# Altium PCB ultra.PcbDoc (part 3 of 9)
Units mm, origin at the board's own origin, x right, y up, seen from the top; angles counter-clockwise.
Board outline 210 x 210 mm, 2 copper layers (Top Layer, Bottom Layer), stack 1.591 mm thick; 722 components, 1083 nets, 2232 pads, 1540 vias.
Unrouted connection lines stored in the file: 21.
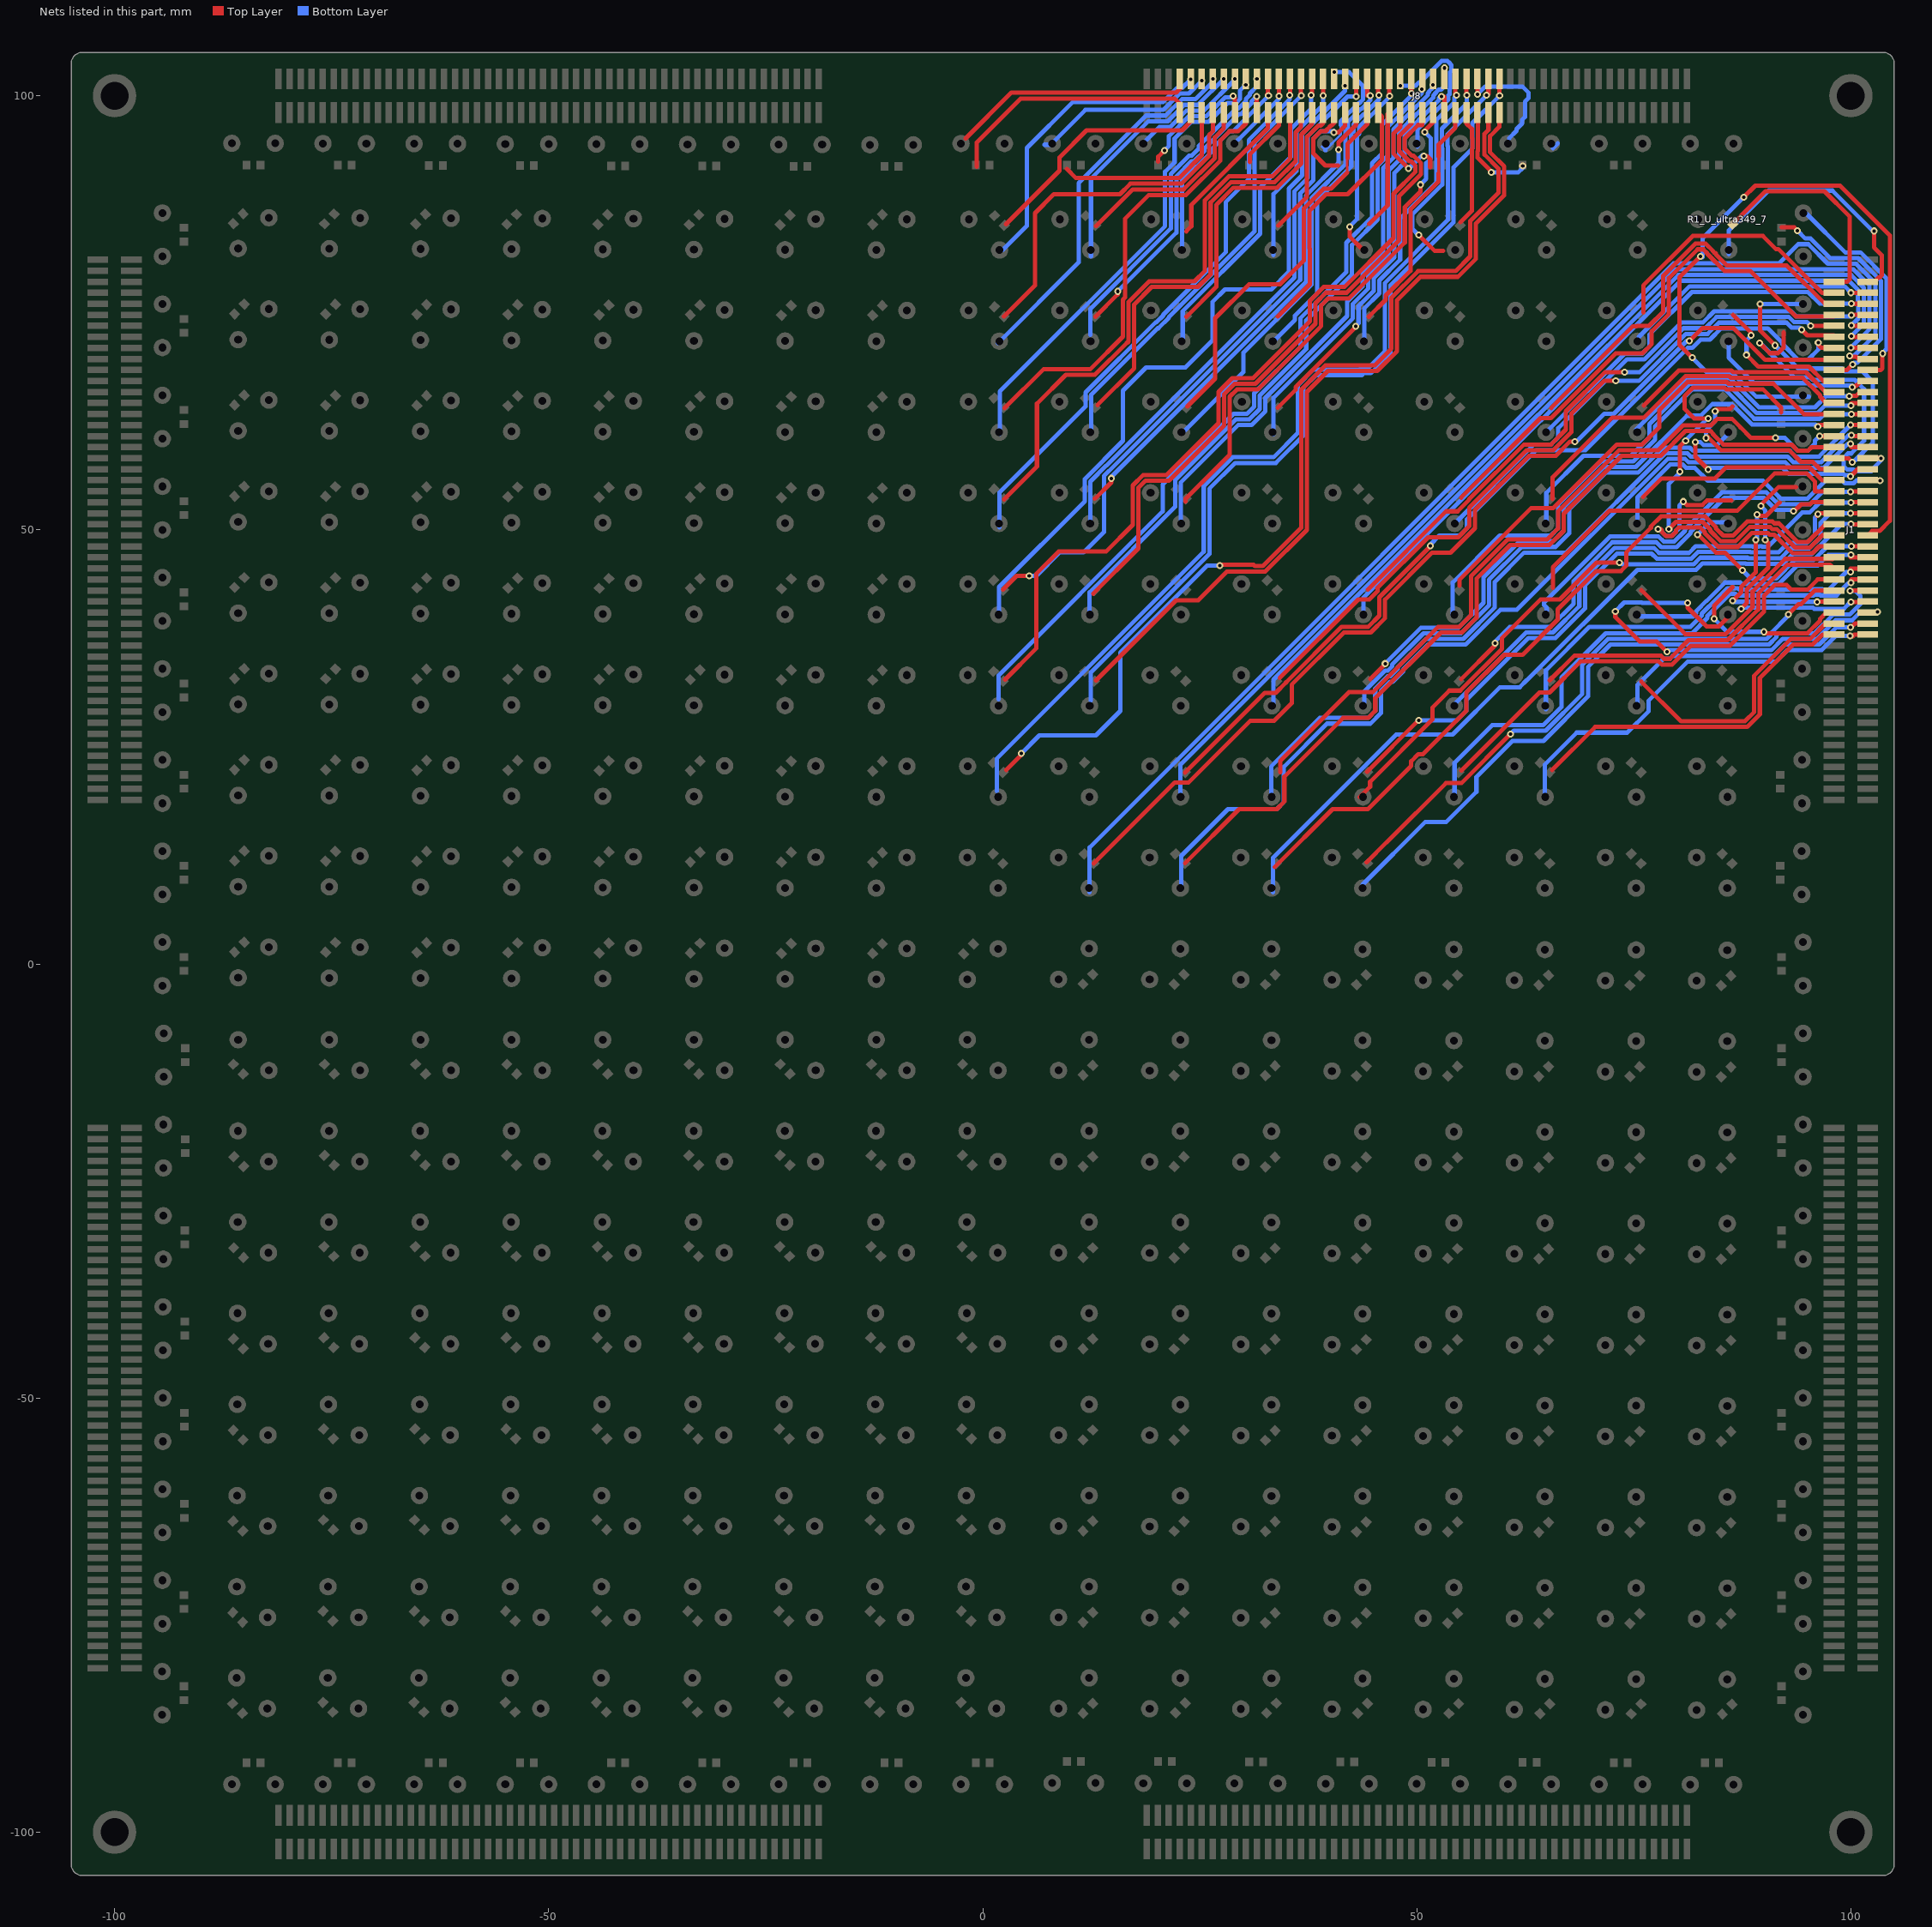
[diagram p3: the nets of this part, all layers, seen from the top]

## Via types
v1: diameter 0.6, hole 0.3, Top Layer to Bottom Layer, tented both sides, 784 vias
v2: diameter 0.8, hole 0.4, Top Layer to Bottom Layer, tented both sides, 756 vias

## Nets (pads, with @x,y where several pads share a name; then routed paths per layer and width w, separated by ;. In a path a pad name is that pad's centre, name@x,y a point inside that pad or via, vN(x,y) a via of type N, cw(c..) or ccw(c..) an arc to the next point about the centre after c; other vN are vias at no path point) (continued)
NetJ1_31: J1.31 | length 47.9
  Top Layer w0.5: v2(99.924,37.795) 99.974,37.744 100.203,37.744 100.394,37.935 J1.31@101.95,37.935
  Bottom Layer w0.5: 64.77,19.232 64.77,22.987 68.428,26.645 74.244,26.645 76.718,29.118 76.718,30.337 81.22,34.84 91.388,34.84 92.698,36.15 96.633,36.15 98.278,37.795 v2(99.924,37.795)
NetJ1_32: J1.32 | length 41.4
  Top Layer w0.5: 65.596,22.339 70.551,27.295 88.072,27.295 89.52,28.743 89.52,32.938 93.382,36.8 95.606,36.8 96.741,37.935 J1.32@98.05,37.935
NetJ1_33: J1.33 | length 31.7
  Top Layer w0.5: v2(99.974,38.786) 99.974,38.684 100.495,39.205 J1.33@101.95,39.205
  Bottom Layer w0.5: 75.413,30.048 75.413,32.131 78.423,35.141 79.148,35.141 79.496,35.49 91.118,35.49 92.429,36.8 96.363,36.8 98.349,38.786 v2(99.974,38.786)
NetJ1_34: J1.34 | length 31.2
  Top Layer w0.5: 75.849,32.533 80.437,27.945 87.803,27.945 88.87,29.012 88.87,33.208 93.112,37.45 95.337,37.45 97.092,39.205 J1.34@98.05,39.205
NetJ1_35: J1.35 | length 50
  Top Layer w0.5: v2(72.873,40.615) 72.873,39.954 75.692,37.135 77.622,37.135 v2(78.816,35.941) ; v2(81.204,41.605) 81.204,41.046 83.363,38.887 84.658,38.887 84.684,38.862 84.785,38.862 85.999,40.076
  Bottom Layer w0.5: v2(72.873,40.615) 73.89,41.632 75.923,41.632 75.95,41.605 v2(81.204,41.605) ; v2(78.816,35.941) 78.816,36.013 78.943,36.14 90.849,36.14 92.16,37.45 96.094,37.45 98.23,39.586 100.144,39.586 101.122,40.564 v2(103.073,40.564)
NetJ1_36: J1.36 | length 20.1
  Top Layer w0.5: v2(84.277,39.751) 84.277,41.3 86.385,43.409 ; v2(89.992,38.252) 90.145,38.1 95.005,38.1 96.45,39.545 96.45,39.741 97.184,40.475 J1.36@98.05,40.475
  Bottom Layer w0.5: v2(84.277,39.751) 84.277,39.726 85.75,38.252 v2(89.992,38.252)
NetJ1_37: J1.37
NetJ1_38: J1.38 | length 26.2
  Top Layer w0.5: v2(86.385,41.834) 86.411,41.834 87.377,42.8 87.377,43.445 89.052,45.12 v2(89.052,48.844) ; v2(89.205,51.765) 89.363,51.607 90.24,51.607 91.796,53.162 ; v2(96.114,41.707) 96.152,41.745 J1.38@98.05,41.745
  Bottom Layer w0.5: v2(86.385,41.834) 86.385,41.808 86.512,41.681 86.543,41.712 96.108,41.712 v2(96.114,41.707) ; v2(89.052,48.844) 89.205,48.997 v2(89.205,51.765)
NetJ1_39: J1.39 | length 111.9
  Top Layer w0.5: v2(87.355,40.912) 88.027,41.584 88.027,43.176 90.48,45.628 90.48,48.484 v2(90.119,48.844) ; v2(89.662,52.73) 89.662,52.908 91.694,54.94 93.675,54.94 ; v2(99.924,42.951) 99.987,43.015 J1.39@101.95,43.015 ; v2(100.025,41.681) 101.295,41.681
  Bottom Layer w0.5: 43.768,8.732 43.768,9.148 50.952,16.332 53.373,16.332 56.871,19.83 56.871,21.539 61.024,25.692 64.596,25.692 69.717,30.814 69.717,34.208 72.299,36.79 90.58,36.79 91.442,37.652 91.442,37.843 91.699,38.1 95.825,38.1 97.961,40.236 99.875,40.236 101.092,41.453 101.092,42.393 100.533,42.951 v2(99.924,42.951) ; v2(87.355,40.912) 87.143,40.912 87.287,41.057 92.478,41.057 92.48,41.059 94.371,41.059 94.374,41.057 95.632,41.057 95.782,40.907 99.2,40.907 99.974,41.681 v2(100.025,41.681) ; v2(89.662,52.73) 90.119,52.273 v2(90.119,48.844)
NetJ1_40: J1.40 | length 69
  Top Layer w0.5: 44.221,11.709 46.558,14.046 46.584,14.046 53.365,20.828 55.143,20.828 v2(60.808,26.492) ; v2(92.812,40.259) 92.812,40.284 93.98,41.453 94.277,41.453 95.839,43.015 J1.40@98.05,43.015
  Bottom Layer w0.5: v2(60.808,26.492) 61.174,26.858 64.843,26.858 69.067,31.083 69.067,34.477 72.03,37.44 90.311,37.44 90.792,37.921 90.792,38.113 92.812,40.132 v2(92.812,40.259)
NetJ1_41: J1.41 | length 62.4
  Top Layer w0.5: v2(100.025,43.917) 100.025,44.221 100.089,44.285 J1.41@101.95,44.285
  Bottom Layer w0.5: 54.356,19.66 54.356,23.165 58.699,27.508 64.574,27.508 66.675,29.61 66.675,33.004 71.76,38.09 81.711,38.09 83.477,39.856 83.477,40.082 83.946,40.551 83.971,40.551 86.054,42.634 86.717,42.634 86.901,42.45 95.725,42.45 95.782,42.507 96.445,42.507 96.502,42.45 98.36,42.45 99.124,43.213 99.124,43.283 99.592,43.751 99.662,43.751 99.827,43.917 v2(100.025,43.917)
NetJ1_42: J1.42 | length 53.8
  Top Layer w0.5: 55.143,22.276 64.135,31.267 65.286,31.267 68.868,34.849 77.858,34.849 78.216,34.491 79.417,34.491 81.563,36.637 86.066,36.637 89.977,40.548 89.977,42.368 91.259,43.65 92.591,43.65 93.141,43.1 95.005,43.1 96.19,44.285 J1.42@98.05,44.285
NetJ1_43: J1.43 | length 46.9
  Top Layer w0.5: v2(99.974,45.136) 99.974,45.517 100.012,45.555 J1.43@101.95,45.555
  Bottom Layer w0.5: 64.872,29.362 64.872,33.807 69.896,38.832 81.534,38.832 82.827,40.125 82.827,40.352 83.677,41.201 83.702,41.201 85.785,43.284 86.986,43.284 87.17,43.1 95.456,43.1 95.513,43.157 96.714,43.157 96.771,43.1 97.431,43.1 99.466,45.136 v2(99.974,45.136)
NetJ1_44: J1.44 | length 39.8
  Top Layer w0.5: 65.284,32.645 68.138,35.499 78.127,35.499 78.485,35.141 79.148,35.141 81.294,37.287 85.797,37.287 89.327,40.818 89.327,42.637 92.689,45.999 97.606,45.999 J1.44@98.05,45.555
NetJ1_45: J1.45 | length 29.7
  Top Layer w0.5: v2(100.025,47.117) 100.025,46.889 99.962,46.825 J1.45@101.95,46.825
  Bottom Layer w0.5: 75.819,40.03 81.813,40.03 82.177,40.394 82.177,40.621 83.407,41.851 83.433,41.851 85.516,43.934 87.255,43.934 87.439,43.75 91.695,43.75 93.845,45.9 96.192,45.9 97.409,47.117 v2(100.025,47.117)
NetJ1_46: J1.46 | length 29
  Top Layer w0.5: 75.882,43.041 80.924,37.998 85.589,37.998 88.677,41.087 88.677,42.906 92.421,46.65 97.875,46.65 J1.46@98.05,46.825
NetJ1_47: J1.47 | length 27.4
  Top Layer w0.5: v2(82.347,49.454) 82.409,49.454 84.48,47.382 85.485,47.382 87.503,45.364 v2(87.503,45.339) ; v2(100.051,48.108) 100.063,48.095 J1.47@101.95,48.095
  Bottom Layer w0.5: v2(82.347,49.454) 83.744,50.851 85.868,50.851 ; v2(87.503,45.339) 87.528,45.339 88.011,44.856 88.467,44.4 91.426,44.4 93.576,46.55 95.738,46.55 97.295,48.108 v2(100.051,48.108)
NetJ1_48: J1.48 | length 36.6
  Top Layer w0.5: v2(77.775,50.063) 78.135,50.063 78.245,49.954 78.245,49.757 78.713,49.289 79.376,49.289 79.845,49.757 79.845,49.97 80.143,50.268 82.664,50.268 83.168,49.764 83.168,49.614 84.749,48.032 86.986,48.032 88.611,49.657 90.438,49.657 90.646,49.449 91.182,49.449 93.332,47.3 95.568,47.3 96.363,48.095 J1.48@98.05,48.095 ; v2(80.696,53.264) 81.092,52.868 82.912,52.868 83.435,53.391 86.233,53.391
  Bottom Layer w0.5: v2(77.775,50.063) 77.939,50.063 78.713,49.289 79.376,49.289 80.247,50.159 80.247,52.815 v2(80.696,53.264)
NetJ1_49: J1.49 | length 93.7
  Top Layer w0.5: v2(81.737,69.825) 80.239,71.323 80.239,79.07 v2(82.677,81.509) ; v2(87.655,88.316) 88.991,89.652 98.766,89.652 104.496,83.922 104.496,51.045 103.316,49.865 102.45,49.865 J1.49@101.95,49.365
  Bottom Layer w0.5: v2(81.737,69.825) 83.444,68.118 86.319,68.118 89.083,65.354 95.174,65.354 ; v2(82.677,81.509) 82.804,81.382 82.931,81.382 82.931,83.591 v2(87.655,88.316)
NetJ1_50: J1.50 | length 54.8
  Top Layer w0.5: v2(79.045,50.089) 79.874,50.918 82.933,50.918 83.818,50.033 83.818,49.883 85.019,48.682 86.717,48.682 88.342,50.307 90.707,50.307 90.915,50.099 91.452,50.099 93.601,47.95 95.299,47.95 96.714,49.365 J1.50@98.05,49.365 ; v2(80.315,56.718) 80.315,59.639 v2@80.81,60.134 ; v2(83.566,62.84) 81.94,62.84 80.848,63.932 80.848,65.405 81.841,66.398 85.425,66.398 85.625,66.198 89.866,66.198 91.973,64.091 91.973,63.525
  Bottom Layer w0.5: v2(79.045,50.089) 79.045,55.296 80.249,56.5 80.264,56.5 80.264,56.667 v2(80.315,56.718) ; v2(80.975,60.274) 80.975,60.33 v2@83.485,62.84 ; v2@83.414,62.84 v2@83.485,62.84 ; v2(83.566,62.84) v2@83.485,62.84
NetJ1_51: J1.51 | length 88.5
  Top Layer w0.5: v2(100.025,50.673) 100.063,50.635 J1.51@101.95,50.635
  Bottom Layer w0.5: 33.452,8.255 33.452,12.243 47.625,26.416 54.127,26.416 59.579,31.868 61.862,31.868 62.682,32.688 62.707,32.688 75.408,45.389 82.171,45.389 82.927,46.145 87.863,46.145 87.913,46.094 92.201,46.094 93.307,47.2 95.468,47.2 98.941,50.673 v2(100.025,50.673)
NetJ1_52: J1.52 | length 87.9
  Top Layer w0.5: 33.655,11.176 40.311,17.832 44.373,17.832 49.357,22.817 49.357,23.348 50.177,24.168 50.733,24.168 55.718,29.152 55.718,31.28 60.049,35.611 62.201,35.611 66.243,39.652 66.243,40.838 70.667,45.263 73.521,45.263 74.155,45.897 74.155,47.434 76.975,50.254 76.975,50.395 78.148,51.568 83.203,51.568 84.468,50.303 84.468,50.152 85.288,49.332 86.448,49.332 88.072,50.957 90.976,50.957 91.184,50.749 91.721,50.749 93.87,48.6 95.03,48.6 97.065,50.635 J1.52@98.05,50.635
NetJ1_53: J1.53 | length 75.1
  Top Layer w0.5: 43.434,19.228 44.625,20.418 44.625,20.977 51.791,28.143 51.791,29.515 53.76,31.485 55.003,31.485 59.83,36.311 59.83,37.554 64.237,41.961 64.948,41.961 64.972,41.985 66.47,41.985 70.713,46.228 v2(73.355,46.228) ; v2(99.974,51.892) 99.987,51.905 J1.53@101.95,51.905
  Bottom Layer w0.5: v2(73.355,46.228) 73.482,46.228 73.671,46.039 81.902,46.039 82.658,46.795 88.132,46.795 88.183,46.744 91.932,46.744 93.037,47.85 95.199,47.85 96.5,49.151 96.5,50.805 97.587,51.892 v2(99.974,51.892)
NetJ1_54: J1.54 | length 70.4
  Top Layer w0.5: 44.277,22.128 v2(50.216,28.067) ; v2(96.215,51.791) 96.139,51.714 96.139,51.613 96.431,51.905 J1.54@98.05,51.905
  Bottom Layer w0.5: v2(50.216,28.067) 54.632,28.067 55.718,29.152 55.718,30.389 62.861,37.532 65.961,37.532 69.374,40.946 69.374,43.579 73.071,47.275 77.05,47.275 77.636,46.689 81.632,46.689 82.389,47.445 88.401,47.445 88.452,47.394 91.662,47.394 92.768,48.5 94.93,48.5 95.85,49.42 95.85,51.425 v2(96.215,51.791)
NetJ1_55: J1.55 | length 59.5
  Top Layer w0.5: v2(100,53.137) 100.038,53.175 J1.55@101.95,53.175
  Bottom Layer w0.5: 54.23,29.82 62.592,38.182 65.692,38.182 68.724,41.215 68.724,43.848 72.801,47.925 77.319,47.925 77.906,47.339 81.363,47.339 82.119,48.095 88.67,48.095 88.721,48.044 89.384,48.044 89.435,48.095 89.737,48.095 89.788,48.044 90.451,48.044 90.919,48.513 90.919,48.538 94.375,51.994 95.262,51.994 96.405,53.137 v2(100,53.137)
NetJ1_56: J1.56 | length 55.4
  Top Layer w0.5: 55.105,32.779 59.03,36.703 v2(59.03,36.932) ; v2(93.396,52.146) 93.345,52.095 93.345,52.019 94.276,52.95 95.299,52.95 95.524,53.175 J1.56@98.05,53.175
  Bottom Layer w0.5: v2(59.03,36.932) 59.03,36.982 58.953,37.059 60.727,38.832 65.423,38.832 68.074,41.484 68.074,44.117 72.532,48.575 77.589,48.575 78.175,47.989 79.915,47.989 81.547,49.621 81.547,49.785 85.442,53.681 89.996,53.681 91.376,52.3 93.242,52.3 v2(93.396,52.146)
NetJ1_57: J1.57 | length 45.4
  Top Layer w0.5: v2(99.949,54.381) 100.051,54.483 100.089,54.445 J1.57@101.95,54.445
  Bottom Layer w0.5: 64.973,40.691 64.973,40.996 64.922,41.046 64.922,41.097 64.667,41.352 64.667,41.63 72.263,49.225 77.858,49.225 78.444,48.639 79.645,48.639 80.897,49.89 80.897,50.054 85.173,54.331 90.265,54.331 91.645,52.95 95.299,52.95 96.731,54.381 v2(99.949,54.381)
NetJ1_58: J1.58 | length 40.7
  Top Layer w0.5: 65.697,43.307 65.697,45.707 72.208,52.218 86.94,52.218 91.211,56.49 94.94,56.49 95.85,55.58 95.85,54.47 95.875,54.445 J1.58@98.05,54.445
NetJ1_59: J1.59 | length 34.8
  Bottom Layer w0.5: 75.413,51.308 75.413,53.757 79.174,57.518 80.646,57.518 81.014,57.15 82.017,57.15 83.515,55.651 89.863,55.651 91.915,53.6 95.03,53.6 97.157,55.728 98.949,55.728 99.317,55.359 100.306,55.359 100.674,55.728 100.75,55.651 v2(103.353,55.651)
NetJ1_60: J1.60 | length 24
  Top Layer w0.5: 76.048,53.772 78.207,55.931 79.971,55.931 79.983,55.918 84.341,55.918 85.608,57.186 95.214,57.186 96.685,55.715 J1.60@98.05,55.715
NetJ1_61: J1.61 | length 27.4
  Top Layer w0.5: v2(82.093,60.122) 82.093,58.42 v2(83.566,56.947) ; v2(99.974,56.159) 100.8,56.985 J1.61@101.95,56.985
  Bottom Layer w0.5: v2(82.093,60.122) 82.663,60.122 83.006,59.779 84.595,59.779 85.738,60.922 ; v2(83.566,56.947) 83.566,57.125 83.591,57.15 92.168,57.15 92.879,56.439 99.157,56.439 99.286,56.309 99.824,56.309 v2(99.974,56.159)
NetJ1_62: J1.62 | length 22
  Top Layer w0.5: v2(83.337,60.579) 83.342,60.579 83.494,60.731 85.071,59.154 92.915,59.154 94.234,57.836 95.606,57.836 96.456,56.985 J1.62@98.05,56.985 ; v2(84.379,63.678) 84.608,63.907 86.068,63.907 86.355,64.195
  Bottom Layer w0.5: v2(83.337,60.579) 83.337,61.48 84.379,62.521 v2(84.379,63.678)
NetJ1_63: J1.63 | length 3.4
  Top Layer w0.5: J1.63@101.95,58.255 103.441,58.255 v2(103.454,58.242)
  Bottom Layer w0.5: 102.324,56.832 103.454,57.963 v2(103.454,58.242)
NetJ1_64: J1.64
NetJ1_65: J1.65 | length 107.3
  Top Layer w0.5: v2(99.949,59.919) 99.949,59.665 100.089,59.525 J1.65@101.95,59.525
  Bottom Layer w0.5: 22.86,9.093 22.86,12.446 28.246,17.832 33.873,17.832 34.693,18.652 34.693,22.704 39.671,27.682 44.667,27.682 45.868,28.883 45.868,31.456 46.906,32.495 47.225,32.495 48.455,33.725 48.455,33.937 51.303,36.785 55.633,36.785 59.636,40.788 61.524,40.788 78.905,58.168 80.915,58.168 81.284,57.8 92.437,57.8 93.087,57.15 96.885,57.15 99.654,59.919 v2(99.949,59.919)
NetJ1_66: J1.66 | length 102.9
  Top Layer w0.5: 23.294,11.585 29.542,17.832 33.873,17.832 34.747,18.707 34.747,21.565 41.515,28.332 44.398,28.332 45.218,29.152 45.218,30.613 52.787,38.182 55.192,38.182 56.886,39.876 56.886,44.379 60.751,48.245 65.28,48.245 66.918,49.883 66.918,51.867 73.583,58.532 78.102,58.532 80.959,61.39 83.811,61.39 84.137,61.063 84.137,61.008 85.313,59.832 86.473,59.832 86.5,59.804 93.191,59.804 93.895,59.1 95.055,59.1 95.48,59.525 J1.66@98.05,59.525
NetJ1_67: J1.67 | length 91.8
  Top Layer w0.5: v2(100.051,60.884) 100.139,60.795 J1.67@101.95,60.795
  Bottom Layer w0.5: 33.223,19.66 33.223,22.733 38.822,28.332 44.398,28.332 45.218,29.152 45.218,31.726 46.637,33.145 46.956,33.145 47.805,33.994 47.805,34.206 51.034,37.435 55.364,37.435 58.986,41.057 58.986,44 62.368,47.382 67.2,47.382 78.636,58.818 81.185,58.818 81.553,58.45 92.707,58.45 93.357,57.8 96.616,57.8 99.7,60.884 v2(100.051,60.884)
NetJ1_68: J1.68 | length 87.7
  Top Layer w0.5: 34.278,22.098 34.278,23.382 42.189,31.293 44.933,31.293 52.472,38.832 54.923,38.832 56.236,40.145 56.236,44.648 60.482,48.895 65.01,48.895 66.268,50.152 66.268,52.136 73.314,59.182 77.833,59.182 80.69,62.04 83.897,62.04 84.366,62.508 84.366,62.534 84.621,62.789 86.316,62.789 87.293,61.812 87.293,61.805 88.494,60.604 v2(91.313,60.604) ; v2(96.393,60.808) 96.406,60.795 J1.68@98.05,60.795
  Bottom Layer w0.5: v2(91.313,60.604) 92.391,60.604 93.895,59.1 95.055,59.1 95.875,59.92 95.875,60.29 v2(96.393,60.808)
NetJ1_69: J1.69 | length 76.3
  Top Layer w0.5: v2(99.974,62.078) 99.987,62.065 J1.69@101.95,62.065
  Bottom Layer w0.5: 43.942,30.099 43.942,31.369 46.368,33.795 46.686,33.795 47.155,34.263 47.155,34.476 50.764,38.085 55.095,38.085 58.336,41.326 58.336,44.269 62.099,48.032 65.986,48.032 67.568,49.614 67.568,52.369 71.781,56.582 75.48,56.582 78.366,59.468 81.454,59.468 81.822,59.1 92.976,59.1 93.626,58.45 96.347,58.45 v2(99.974,62.078)
NetJ1_70: J1.70 | length 71.1
  Top Layer w0.5: 44.653,32.817 46.355,34.519 v2(46.355,34.595) ; v2(96.19,61.874) 96.38,62.065 J1.70@98.05,62.065
  Bottom Layer w0.5: v2(46.355,34.595) 50.495,38.735 54.825,38.735 57.686,41.595 57.686,44.538 61.83,48.682 65.717,48.682 66.918,49.883 66.918,52.638 71.512,57.232 75.211,57.232 81.123,63.144 82.714,63.144 84.047,64.478 86.282,64.478 88.61,62.15 95.914,62.15 v2(96.19,61.874)
NetJ1_71: J1.71 | length 64.8
  Top Layer w0.5: v2(100.051,63.322) 100.063,63.335 J1.71@101.95,63.335
  Bottom Layer w0.5: 54.153,40.232 54.153,43.942 59.543,49.332 65.448,49.332 66.268,50.152 66.268,52.907 71.242,57.882 74.942,57.882 77.443,60.383 77.443,61.914 81.697,66.168 85.511,66.168 88.879,62.8 96.413,62.8 96.936,63.322 v2(100.051,63.322)
NetJ1_72: J1.72 | length 56
  Top Layer w0.5: 54.94,43.561 54.94,44.272 63.153,52.485 65.697,52.485 73.045,59.832 75.973,59.832 77.942,61.802 77.942,63.79 81.201,67.048 85.694,67.048 85.894,66.848 91.064,66.848 94.577,63.335 J1.72@98.05,63.335
NetJ1_73: J1.73 | length 48.7
  Top Layer w0.5: v2(100.025,64.287) 100.025,64.516 100.114,64.605 J1.73@101.95,64.605
  Bottom Layer w0.5: 64.922,50.732 64.922,54.254 69.2,58.532 74.672,58.532 76.793,60.652 76.793,62.183 81.428,66.818 85.781,66.818 89.148,63.45 96.144,63.45 96.982,64.287 v2(100.025,64.287)
NetJ1_74: J1.74 | length 41.1
  Top Layer w0.5: 65.638,53.556 65.638,56.037 72.542,62.941 76.175,62.941 80.931,67.698 85.964,67.698 86.163,67.498 94.457,67.498 96.45,65.505 96.45,65.339 97.184,64.605 J1.74@98.05,64.605
NetJ1_75: J1.75 | length 31.3
  Top Layer w0.5: v2(99.822,65.405) 99.822,65.456 100.635,65.456 101.054,65.875 J1.75@101.95,65.875
  Bottom Layer w0.5: 75.286,61.595 81.158,67.468 86.05,67.468 89.418,64.1 95.875,64.1 97.18,65.405 v2(99.822,65.405)
NetJ1_76: J1.76 | length 24.6
  Top Layer w0.5: 76.162,64.325 80.184,68.348 86.233,68.348 86.432,68.148 94.818,68.148 97.091,65.875 J1.76@98.05,65.875
NetJ1_77: J1.77 | length 19.4
  Top Layer w0.5: v2(100.152,66.446) 100.386,66.446 100.584,66.645 100.706,66.645 101.206,67.145 J1.77@101.95,67.145
  Bottom Layer w0.5: 85.928,71.374 85.928,69.825 88.853,66.9 95.055,66.9 95.331,66.624 100.152,66.624 v2(100.152,66.446)
NetJ1_78: J1.78 | length 85.3
  Top Layer w0.5: 86.437,74.751 88.519,72.669 v2(88.519,72.415) ; v2(87.986,70.155) 89.332,68.809 95.174,68.809 96.837,67.145 J1.78@98.05,67.145 ; v2(89.484,71.526) 90.653,70.358 91.618,70.358 92.24,70.98 92.24,72.771 ; v2(89.535,76.022) 89.535,72.974 v2(91.262,71.247) ; 98.05,58.217 99.746,58.217 v2(100.178,57.785)
  Bottom Layer w0.5: v2(87.986,70.155) 87.986,71.831 88.519,72.365 v2(88.519,72.415) ; v2(89.484,71.526) 89.535,71.526 93.511,67.55 95.324,67.55 95.6,67.274 100.456,67.274 101.524,66.206 101.524,60.274 100.051,58.801 99.67,58.801 99.187,58.318 99.187,57.328 99.555,56.959 100.306,56.959 100.496,56.769 102.387,56.769 ; v2(89.535,76.022) 94.082,76.022 ; v2(91.262,71.247) 93.929,68.58 98.984,68.58 99.314,68.25 101.346,68.25 102.514,67.081 102.514,60.02 v2@100.47,57.975
NetJ1_79: J1.79 | length 24.7
  Top Layer w0.5: J1.79@101.95,68.415 103.442,68.415 103.632,68.605 103.632,70.358 v2(103.683,70.307)
  Bottom Layer w0.5: 94.92,86.385 99.355,81.95 101.12,81.95 104.109,78.962 104.109,70.835 103.683,70.409 v2(103.683,70.307)
NetJ1_80: J1.80 | length 27.6
  Top Layer w0.5: 92.025,84.836 93.472,84.836 v2(93.853,84.455) ; J1.80@98.05,68.415 99.555,68.415 v2(100.203,69.063)
  Bottom Layer w0.5: v2(93.853,84.455) 94.758,83.55 95.374,83.55 97.624,81.3 100.851,81.3 103.459,78.692 103.459,71.963 100.724,69.228 100.368,69.228 v2(100.203,69.063)
NetJ1_81: J1.81 | length 138.5
  Top Layer w0.5: v2(99.873,70.028) 99.873,69.952 100.609,69.952 100.876,69.685 J1.81@101.95,69.685
  Bottom Layer w0.5: 12.319,8.23 12.319,13.421 79.594,80.696 91.741,80.696 93.945,82.9 95.105,82.9 97.355,80.65 100.582,80.65 102.809,78.423 102.809,72.481 100.355,70.028 v2(99.873,70.028)
NetJ1_82: J1.82 | length 116.2
  Top Layer w0.5: 12.799,11.58 22.123,20.904 23.724,20.904 30.836,28.016 33.582,28.016 35.595,30.029 35.595,32.166 41.611,38.182 44.692,38.182 46.345,39.835 46.345,41.962 51.741,47.358 53.893,47.358 56.708,50.173 56.708,52.301 62.94,58.532 66.011,58.532 67.652,60.173 v2(68.199,60.173) ; v2(81.407,71.755) 82.906,73.254 86.462,73.254 90.115,69.6 98.05,69.6 J1.82@98.05,69.685
  Bottom Layer w0.5: v2(68.199,60.173) 68.351,60.173 68.377,60.147 71.597,63.368 72.71,63.368 81.097,71.755 v2(81.407,71.755)
NetJ1_83: J1.83 | length 117
  Top Layer w0.5: v2(100.025,70.993) 100.101,70.993 100.139,70.955 J1.83@101.95,70.955